# Altium PCB ReconProbe.PcbDoc (part 3 of 4) (continued)
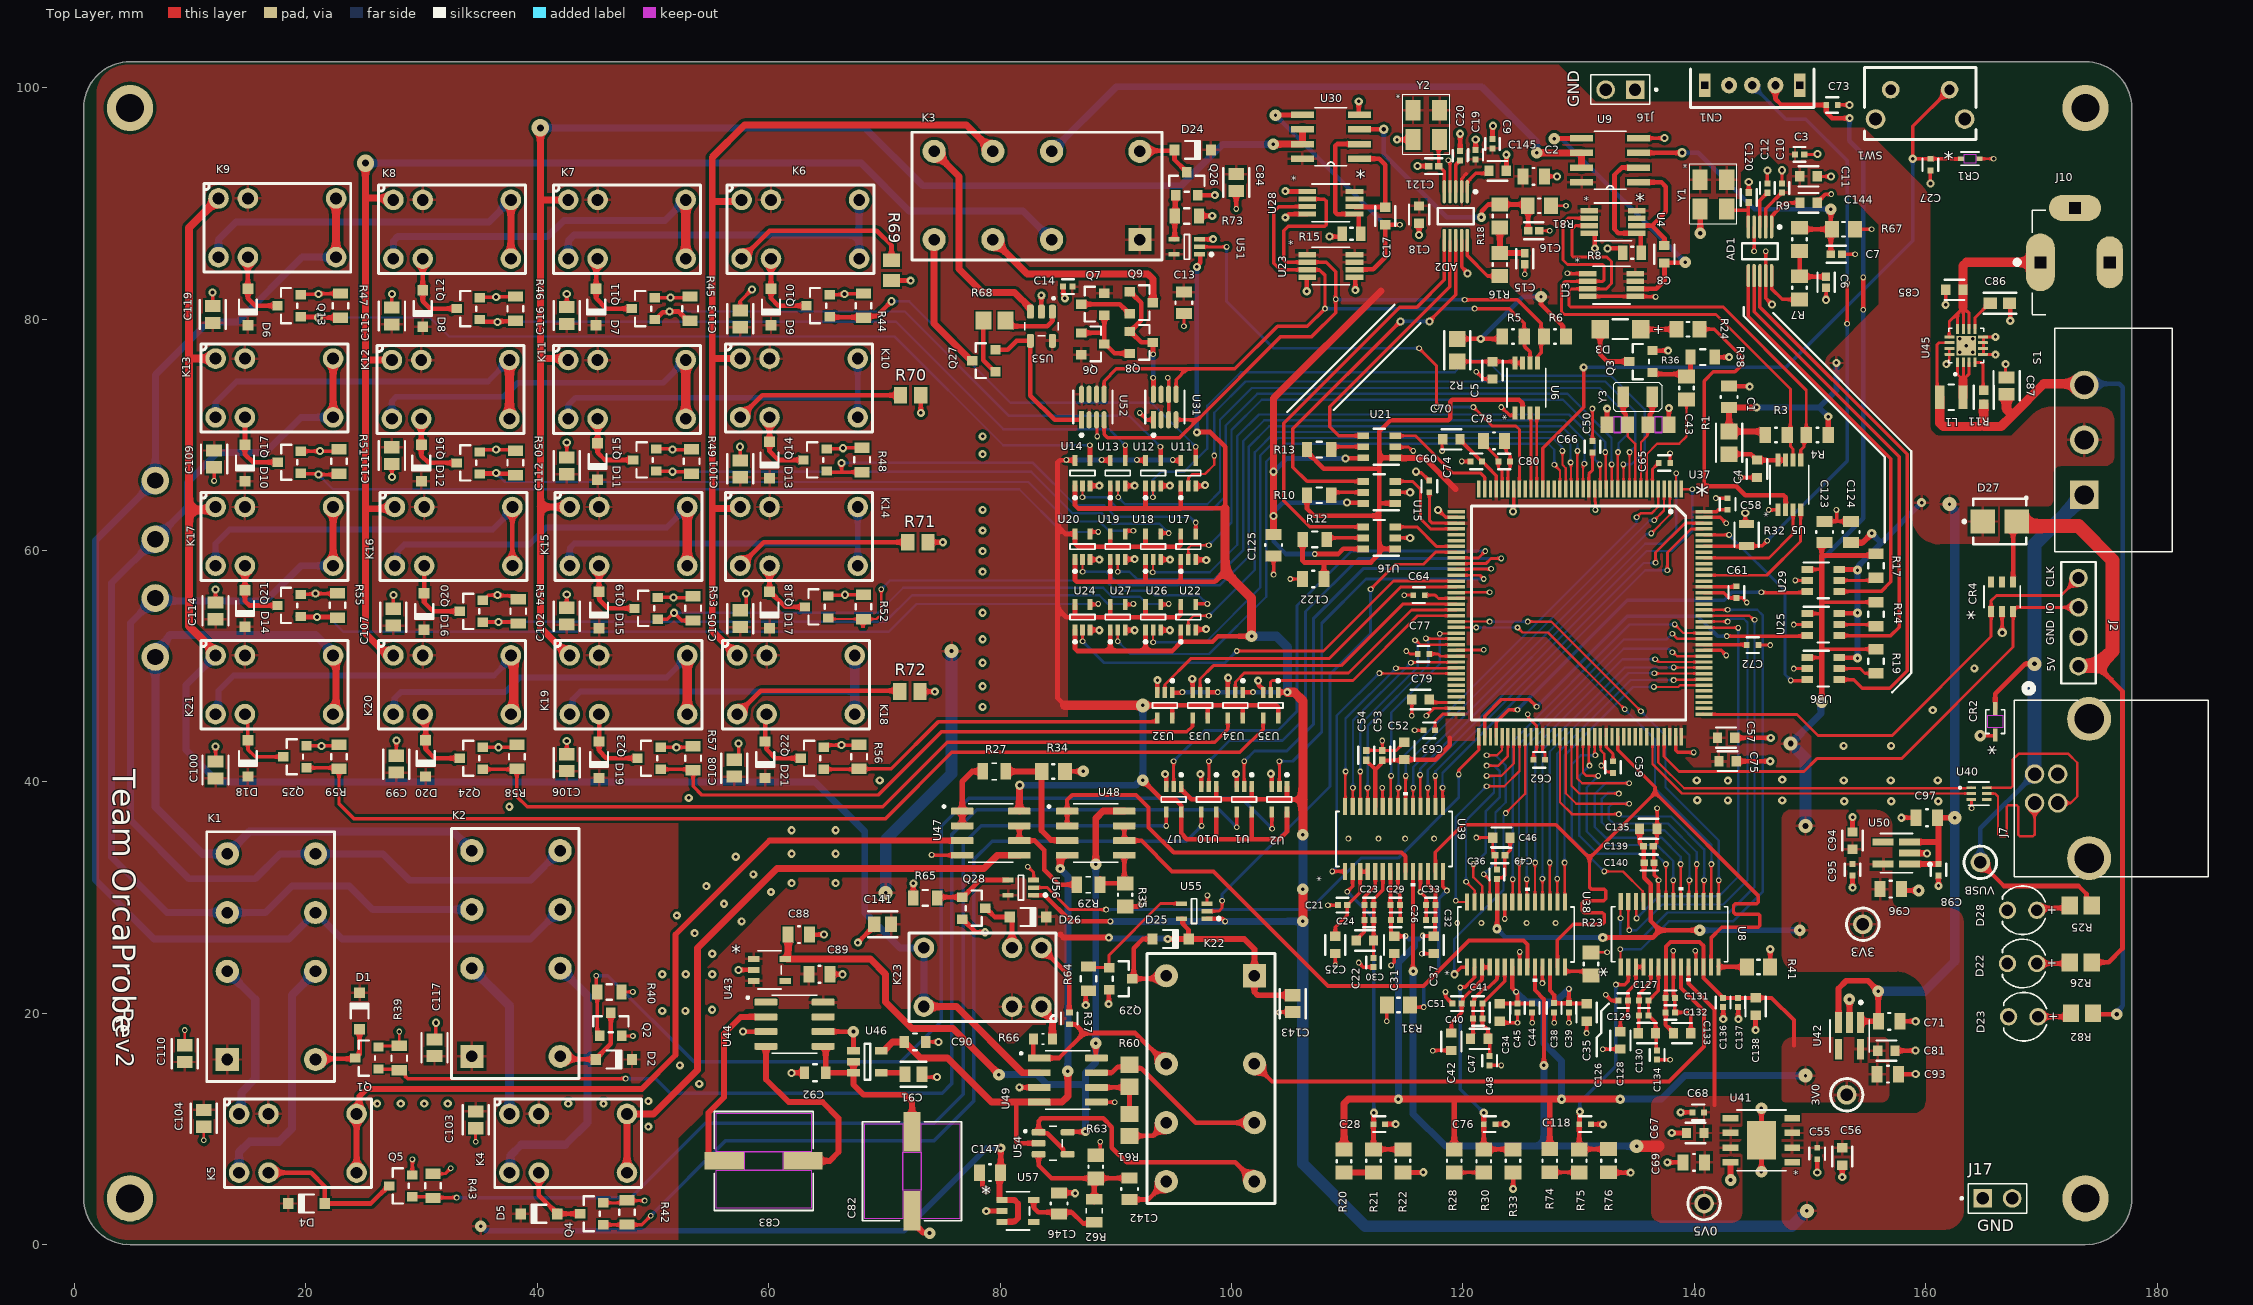
[diagram p0: Top Layer view]
## Nets (pads, with @x,y where several pads share a name; then routed paths per layer and width w, separated by ;. In a path a pad name is that pad's centre, name@x,y a point inside that pad or via, vN(x,y) a via of type N, cw(c..) or ccw(c..) an arc to the next point about the centre after c; other vN are vias at no path point) (continued)
  Top Layer w0.4: v3(57.4,23.749) U43.2@58.706,23.749 ; v3(57.785,18.415) U44.3@59.76,18.415 ; v3@61.99,14.859 C92.2@63.083,14.859 ; C88.1@63.536,26.797 v3(64.77,26.797) ; U44.6@64.7,18.415 v8(67.31,18.415) 67.323,18.402 U46.1@67.323,16.759 ; C89.1@65.314,23.368 v3(66.393,23.368) ; v2(67.7,26.1) 67.7,26.111 69.124,27.535 C141.1@69.124,27.686 ; R69.1@70.612,83.326 v2@72.249,83.326 ; R65.2@72.483,29.972 72.492,29.981 72.492,31.218 v2(72.5,31.226) ; R72.1@73.075,47.8 v2(74.359,47.8) ; v2@73.138,71.896 R70.1@73.138,73.406 ; R71.1@73.759,60.706 v2(75.057,60.706) ; Q28.2@76.724,28.133 76.774,28.133 77.9,27.007 78.693,27.007 v2(78.7,27) ; C147.1@78.2,6.227 78.471,5.956 78.471,5.11 78.8,4.781 v2(78.8,4.7) ; v2@78.811,2.91 U57.2@80.158,2.91 ; v2(81.661,13.589) U49.3@83.382,13.589 ; U53.2@83.566,80.63 v2(83.566,82.042) ; C146.1@85.09,4.481 v2@86.451,4.481 ; C14.2@85.452,82.804 85.452,82.015 85.598,81.869 v2(85.598,81.788) ; R34.1@85.6,40.9 v4(87.2,40.9) ; v2(87.4,20.7) 87.4,21.707 R64.2@87.63,21.937 ; U24.3@87.772,53.129 88.547,53.129 v2(88.576,53.1) ; U20.3@87.772,59.225 87.772,59.213 88.564,59.213 v2(88.576,59.2) ; U14.3@87.772,65.575 87.772,65.588 88.564,65.588 v2(88.576,65.6) ; v2(89.378,20.8) 89.401,20.823 89.401,22.014 Q29.2@89.424,22.037 ; R35.1@90.805,29.226 91.905,29.226 92.27,29.591 v2(92.329,29.591) ; U27.3@90.82,53.129 90.82,53.115 91.61,53.115 v2(91.624,53.1) ; U19.3@90.82,59.225 90.82,59.234 91.485,59.234 91.494,59.243 v2(91.624,59.243) ; U13.3@90.82,65.575 90.82,65.588 91.612,65.588 v2(91.624,65.6) ; U32.3@93.584,47.709 93.584,48.772 v2(93.6,48.788) ; U26.3@93.868,53.129 93.868,53.115 94.658,53.115 v2(94.672,53.1) ; U18.3@93.868,59.225 93.868,59.213 94.67,59.213 v2(94.682,59.2) ; U12.3@93.868,65.575 93.868,65.588 94.66,65.588 v2(94.672,65.6) ; v2(94.256,40.66) 94.256,40.579 94.346,40.489 U7.3@94.346,39.581 ; v2(96.6,48.9) 96.632,48.868 U33.3@96.632,47.709 ; U22.3@96.916,53.129 96.916,53.165 97.765,53.165 v2(97.8,53.2) ; U17.3@96.916,59.225 96.916,59.191 97.78,59.191 v2(97.814,59.157) ; U11.3@96.916,65.575 97.571,65.575 97.639,65.643 v2(97.72,65.643) ; Q26.2@97.095,90.7 97.1,90.705 98.55,90.705 v2(98.562,90.717) ; R73.2@97.189,88.9 97.206,88.917 v2(98.333,88.917) ; U51.3@97.239,86.883 98.383,86.883 v2(98.4,86.9) ; v2(97.304,40.66) 97.304,40.579 97.394,40.489 U10.3@97.394,39.581 ; U34.3@99.68,47.716 99.68,48.98 v2(99.7,49) ; v2(100.4,40.66) 100.442,40.618 U1.3@100.442,39.581 ; v1(100.4,89.514) C84.1@100.4,91.074 ; v2(102.301,48.744) 102.359,48.686 102.359,48.353 102.728,47.984 U35.3@102.728,47.716 ; v2(103.4,40.7) 103.4,40.619 103.49,40.529 U2.3@103.49,39.581 ; v2(104.648,88.773) 104.943,89.068 U28.4@106.541,89.068 ; v2(104.648,91.059) 104.675,91.059 104.716,91.018 U28.1@106.541,91.018 ; v2(106.5,82.4) 106.5,83.578 106.529,83.607 U23.4@106.54,83.607 ; v3(108.458,87.122) R15.2@109.313,87.122 ; U23.5@110.63,83.607 110.671,83.607 110.7,83.578 v2(110.7,82.5) ; U30.4@110.998,97.714 v2(110.998,98.806) ; C28.2@113.268,10.414 v2(114.173,10.414) ; v2(114.3,95.504) Y2.2@115.683,95.504 ; R22.1@114.808,6.239 v2@116.57,6.239 ; v3(116.078,93.218) C121.2@117.046,93.218 ; v3(116.205,87.273) C18.2@116.205,88.277 ; C20.2@119.761,94.507 v2(119.761,96.012) ; C19.2@121.1,94.725 v3@121.1,95.498 ; C9.2@122.555,95.542 v3@122.555,96.655 ; C76.2@122.801,10.414 v2(123.698,10.414) ; C145.2@123.762,92.812 v2(123.762,94.197) ; v2(124.333,4.826) R33.1@124.333,6.239 ; U4.4@130.925,87.417 131.371,87.417 131.4,87.388 v2(131.4,86.1) ; C118.2@131.063,10.407 v2@132.093,10.407 ; C50.2@132.445,70.866 132.452,70.872 132.452,72.259 v2(132.458,72.266) ; v3(132.5,86.1) 133.564,86.1 R8.1@133.57,86.106 ; R76.1@132.62,6.223 v2(134.493,6.223) ; Q3.2@136.382,77.277 136.386,77.273 137.723,77.273 v2(137.727,77.269) ; v2(137.668,7.112) C69.1@139.029,7.112 ; v2(137.8,72.3) 137.801,72.299 137.801,70.867 C43.2@137.803,70.866 ; v2(138.049,9.652) C67.1@139.331,9.652 ; v2(138.811,11.43) C68.2@139.835,11.43 ; R38.1@141.766,76.708 141.774,76.7 v2(143,76.7) ; v2@142.497,19.503 C136.2@142.497,20.533 ; C1.2@143.002,74.204 143.024,74.182 144.756,74.182 v2(144.778,74.16) ; C57.2@143.513,43.8 v2(146.6,43.8) ; C75.2@143.625,41.783 v2(146.558,41.783) ; v2@143.782,19.518 C137.2@143.782,20.518 ; v2(145.288,18.542) C138.2@145.288,19.836 ; v4(145.8,6.3) 145.8,9.013 U41.EPAD@145.796,9.017 145.8,9.021 v4(145.8,11.8) ; R41.1@146.558,24.019 v2(146.558,25.527) ; v3(150.622,6.223) C55.2@150.622,7.374 ; v2(152.781,5.842) C56.1@152.781,6.87 ; v2(153.67,30.861) C95.2@153.67,31.893 ; C94.1@153.67,35.675 v2(153.67,36.957) ; C81.1@157.441,16.769 v3@159.098,16.769 ; C93.1@157.643,14.732 v3(159.131,14.732) ; C71.1@157.77,19.304 v3(159.131,19.304) ; C96.1@157.897,30.734 158.024,30.607 v9(159.385,30.607) ; v2(157.9,36.9) C97.1@159.175,36.9 ; v2(161.1,31) C98.2@161.1,31.9 ; v2(167.297,79.846) C86.2@167.297,81.308
  Top Layer w0.5: C82.1@72.39,2.946 72.39,1.994 73.346,1.038 73.862,1.038 v8(73.9,1) ; v9(140.5,87.4) Y1.2@140.5,89.5 ; v8(143.129,5.588) U41.8@143.129,7.106 ; v8(153.4,21.2) 153.408,21.192 153.408,19.192 U42.2@153.416,19.184 ; U50.2@158.873,33.822 158.883,33.832 160.104,33.832 v3(160.115,33.822)
  other v1: 119.5,27.8 121.6,27.8 125.5,27.8 128,27.8 110.1,35.1 112.7,35.1 115,35.1 117.5,35.1
  other v2: 49.6,10.2 26.162,12.192 28.194,12.192 30.226,12.192 32.258,12.192 42.672,12.192 45.72,12.192 49.6,12.4 54,13.9 52.324,15.494 50.8,20.2 52.8,20.2 55.1,20.3 50.8,23.368 52.832,23.368 55.118,23.368 55.118,25.146 53.594,26.924 57.658,27.94 52.07,28.448 56.134,29.464 60.198,30.48 54.61,30.988 61.976,31.242 65.786,31.242 58.674,32.004 57.15,33.528 61.976,33.782 65.786,33.782 61.976,35.814 65.786,35.814 37.592,37.846 152.953,38.325 157.017,38.325 161.081,38.325 140.251,38.405 142.9,38.4 147.6,38.4 53.086,38.608 142.9,40.1 69.596,40.132 140.208,40.132 152.908,40.132 156.972,40.132 161.036,40.132 147.6,40.2 152.9,43.1 157,43.1 160.6,46.2 78.486,46.482 78.486,48.26 164.2,49.8 78.486,50.292 78.486,52.324 78.486,54.61 78.486,58.166 78.486,59.944 78.486,61.722 78.486,63.5 78.486,68.326 78.486,69.85
  other v3: 159.1,16.771
IINV_IN: K22.3 R61.1 | length 3.6
  Top Layer w0.4: R61.1@91.186,9.403 93.223,9.403 K22.3@94.361,10.541
IINV_OUT: K22.6 R60.1 U49.7 | length 16
  Top Layer w0.4: U49.7@88.322,14.859 89.662,14.859 90.172,15.369 91,15.369 R60.1@91.186,15.555 91.501,15.24 92.202,15.24 96.901,10.541 K22.6@101.981,10.541
IOFFSET: C142.2 K22.4 | length 3.8
  Top Layer w0.4: C142.2@91.186,3.901 92.801,3.901 K22.4@94.361,5.461
IOUT: K3.7 K8.6 K12.6 K16.6 K20.6 | length 113.6
  Top Layer w0.6: v11(25.146,93.472) 25.146,90.551 ; K12.6@27.432,76.454 25.146,76.454 ; K8.6@27.559,90.297 27.41,90.446 25.251,90.446 25.146,90.551 ; K16.6@27.686,63.5 27.583,63.603 25.297,63.603 25.146,63.754 ; K20.6@27.813,50.927 27.641,51.099 26.879,51.099 25.146,52.832 25.146,63.754 ; 25.146,63.754 25.146,76.454 ; 25.146,76.454 25.146,90.551
  Bottom Layer w0.6: v11(25.146,93.472) 67.996,93.472 72.136,89.332 81.991,89.332 K3.7@84.455,86.868
MCI2C1_SCL: U5.3 U37.136 | length 10.6
  Top Layer w0.25: U37.136@140.832,59.356 146.456,59.356 148.534,61.434 U5.3@148.534,63.513
MCI2C1_SDA: U5.4 U37.133 | length 12.3
  Top Layer w0.25: U37.133@140.832,57.856 146.256,57.856 149.184,60.784 U5.4@149.184,63.513
MCI2C3_SCL: U6.4 U37.26 | length 6.6
  Top Layer w0.25: U37.26@126.382,65.306 126.382,71.826 U6.4@126.451,71.895
MCI2C3_SDA: U6.3 U37.27 | length 6.6
  Top Layer w0.25: U6.3@125.801,71.895 125.882,71.814 U37.27@125.882,65.306
MCU_D_N: U37.103 U40.2 | length 31
  Top Layer w0.2: U37.103@136.382,43.906 136.382,41.538 138.931,38.989 U40.2@163.919,38.989
MCU_D_P: U37.104 U40.1 | length 30.2
  Top Layer w0.2: U37.104@136.882,43.906 136.882,41.68 139.119,39.443 163.481,39.443 163.5,39.462 163.892,39.462 U40.1@163.919,39.489
N2V5: C90.1 U46.5 U48.4 U49.4 U54.2 | length 45.9
  Top Layer w0.3: 81.407,12.158 81.568,12.319
  Top Layer w0.4: 81.407,12.158 81.407,8.924 81.568,8.763 U54.2@83.327,8.763
  Top Layer w0.6: U46.5@69.723,16.759 69.948,16.759 70.715,17.526 C90.1@71.719,17.526 ; C90.1@71.719,17.401 71.819,17.301 71.944,17.301 73.116,16.129 75.438,16.129 79.248,12.319 81.568,12.319 U49.4@83.382,12.319 85.344,12.319 85.852,12.827 v4(85.852,14.986) ; v5(85.2,32.5) 85.2,33.655 U48.4@85.795,33.655
  Bottom Layer w0.6: v5(85.2,32.5) 85.2,32.461 85.852,31.809 v4(85.852,14.986)
NetAD1_1: AD1.1 C144.1 | length 3.9
  Top Layer w0.3: AD1.1@146.669,87.952 146.669,88.884 147.828,90.043 C144.1@149.122,90.043
NetAD1_3: AD1.3 C12.1 | length 3.2
  Top Layer w0.3: AD1.3@145.669,87.952 145.669,90.278 C12.1@146.304,90.913
NetAD1_10: AD1.10 R7.2 | length 4.3
  Top Layer w0.3: AD1.10@146.669,84.514 146.669,82.631 147.607,81.693 R7.2@148.717,81.693
NetAD2_1: AD2.1 C145.1 | length 3
  Top Layer w0.3: AD2.1@120.38,91 120.38,91.85 121.113,92.583 C145.1@122.059,92.583 ; C145.1@122.059,92.683 C145.1@122.186,92.556
NetAD2_3: AD2.3 C20.1 | length 2.9
  Top Layer w0.3: AD2.3@119.38,91 119.38,93.326 119.651,93.597 C20.1@119.761,93.707
NetAD2_10: AD2.10 R16.2 | length 4.9
  Top Layer w0.3: AD2.10@120.38,86.8 120.38,85.487 122.158,83.709 R16.2@123.19,83.709
NetC4_2: C4.2 R1.2 U5.7 U5.8 | length 5.1
  Top Layer w0.4: R1.2@143.002,68.326 144.895,68.326 145.115,68.106 145.115,68.056 145.365,67.806 U5.8@147.234,67.805 ; U5.8@147.234,67.805 U5.7@147.884,67.805
NetC5_2: C5.2 R2.2 U6.7 U6.8 | length 5.7
  Top Layer w0.3: R2.2@119.507,76.327 119.519,76.315 C5.2@122.555,76.315 124.422,76.315 124.501,76.236 U6.8@124.501,76.187 U6.7@125.151,76.187
NetC6_1: C6.1 R7.1 R9.2 | length 4.5
  Top Layer w0.4: R9.2@149.098,85.884 R7.1@149.098,83.693 149.127,83.664 C6.1@151.384,83.664
NetC15_1: C15.1 R16.1 R18.2 | length 4.4
  Top Layer w0.5: R18.2@123.19,87.9 R16.1@123.19,85.709 123.197,85.702 125.342,85.702 C15.1@125.349,85.696
NetC27_1: C27.1 CR1.1 SW1.1 U37.25 | length 63.4
  Top Layer w0.3: U37.25@126.882,65.306 126.882,68.843 130.429,72.39 v2(130.429,75.819) ; C27.1@160.301,93.818 160.175,93.818 160.14,93.853 v2(158.877,93.853) 158.877,96.647 SW1.1@162.052,99.822 ; C27.1@160.401,93.845 160.405,93.849 163.026,93.849 CR1.1@163.03,93.853
  Bottom Layer w0.3: v2(130.429,75.819) 147.919,75.819 158.877,86.777 v2(158.877,93.853)
NetC43_1: C43.1 U37.8 Y3.2 | length 8.9
  Top Layer w0.2: U37.8@135.382,65.306 135.382,69.358 135.948,69.924 135.948,70.805 C43.1@136.07,70.927 ; Y3.2@136.042,72.963 Y3.2@136.358,73.279
  Top Layer w0.4: C43.1@136.009,70.866 136.165,71.022 136.165,71.778 136.358,71.971 Y3.2@136.358,73.279
NetC50_1: C50.1 U37.9 Y3.1 | length 8.4
  Top Layer w0.2: C50.1@134.239,70.866 134.239,69.85 134.882,69.207 U37.9@134.882,65.306
  Top Layer w0.4: Y3.1@133.858,73.279 133.858,72.003 134.083,71.778 134.083,71.022 C50.1@134.239,70.866
NetC79_1: C79.1 U37.70 | length 2.4
  Top Layer w0.3: C79.1@117.082,46.863 117.089,46.856 U37.70@119.432,46.856
NetC82_2: C82.2 C92.1 U44.5 U46.2 U46.3 | length 15.1
  Top Layer w0.5: U44.5@64.7,17.145 64.883,17.145 64.933,17.095 C92.1@64.933,14.859 U46.3@67.323,14.859 ; U46.2@67.323,15.809 U46.3@67.323,14.859 ; C82.2@72.39,9.754 72.39,12.319 71.755,12.954 68.199,12.954 67.323,13.83 U46.3@67.323,14.859
NetC83_1: C83.1 U44.2 | length 16.8
  Top Layer w0.5: C83.1@56.159,7.239 55.299,7.239 54.8,7.738 54.8,11.4 56.134,12.734 56.134,18.234 57.585,19.685 U44.2@59.76,19.685
NetC83_2: C83.2 U44.4 | length 16.8
  Top Layer w0.5: U44.4@59.76,17.145 59.76,14.281 61.722,12.319 64.643,12.319 66.04,10.922 66.04,8.001 65.278,7.239 C83.2@62.967,7.239
NetC86_1: C86.1 U45.9 | length 2.8
  Top Layer w0.25: U45.9@164.25,79.175 164.25,80.112 165.508,81.37 C86.1@165.582,81.37
NetC91_1: C91.1 U46.4 | length 2.1
  Top Layer w0.5: U46.4@69.723,14.859 71.64,14.859 C91.1@71.767,14.986
NetC142_1: C142.1 R62.1 R63.2 U54.3 | length 11.3
  Top Layer w0.4: U54.3@83.327,7.813 83.327,6.843 84.439,5.731 R63.2@88.265,5.731 ; R62.1@88.138,3.683 88.138,5.477 88.265,5.604 88.412,5.751 C142.1@91.186,5.751
NetC146_2: C146.2 R62.2 U57.5 | length 6.4
  Top Layer w0.4: U57.5@82.899,3.871 82.899,3.207 83.306,2.8 84.921,2.8 C146.2@85.09,2.631 85.259,2.8 86.2,2.8 87.168,1.832 87.862,1.832 R62.2@87.884,1.81
NetCN1_2: CN1.2 R32.1 U37.138 | length 52.3
  Top Layer w0.3: U37.138@140.832,60.356 144.491,60.356 R32.1@144.526,60.391 145.862,60.391 v1(146.304,60.833) ; v1(153.2,79.6) v1(153.2,83.1)
  Bottom Layer w0.3: CN1.2@145.002,100.203 147.923,97.282 149.618,97.282 153.2,93.7 v1(153.2,83.1) ; v1(146.304,60.833) 153.2,67.729 v1(153.2,79.6)
NetD3_1: D3.1 Q3.3 | length 5
  Top Layer w0.4: D3.1@131.854,79.121 131.854,76.934 132.461,76.327 Q3.3@134.382,76.327
NetD3_2: D3.2 R24.1 | length 3.1
  Top Layer w0.4: D3.2@135.354,79.121 R24.1@138.446,79.121
NetD22_1: D22.1 R26.1 | length 2.7
  Top Layer w0.4: D22.1@169.6,24.3 172.15,24.3 R26.1@172.25,24.4
NetD23_1: D23.1 R82.1 | length 3
  Top Layer w0.4: D23.1@169.46,19.7 D23.1@169.7,19.7 172.05,19.7 R82.1@172.35,20
NetD25_1: D25.1 K22.1 Q29.3 | length 7.5
  Top Layer w0.4: D25.1@93.167,26.416 92.329,26.416 91.542,25.629 91.542,22.987 94.107,22.987 K22.1@94.361,23.241
NetD26_1: D26.1 K23.2 Q28.3 | length 5.2
  Top Layer w0.4: Q28.3@78.724,29.083 78.774,29.083 79.536,28.321 D26.1@80.848,28.321 81.026,28.143 K23.2@81.026,25.654
NetD28_1: D28.1 R25.1 | length 2.7
  Top Layer w0.4: D28.1@169.6,28.9 169.8,29.1 171.95,29.1 R25.1@172.15,29.3
NetK6_1: K6.1 R69.2 | length 15.8
  Top Layer w0.4: K6.1@57.658,85.217 60.071,87.63 69.342,87.63 70.612,86.36 R69.2@70.612,85.076
NetK6_3: K6.3 K6.4 K7.1 | length 35
  Bottom Layer w0.6: K7.1@42.672,85.217 42.672,86.741 43.18,87.249 67.818,87.249 ; K6.3@67.818,85.217 67.818,87.249 ; 67.818,87.249 K6.4@67.818,90.297 67.818,87.249
NetK7_3: K7.3 K7.4 K8.1 | length 33.3
  Top Layer w0.8: K7.3@52.832,85.217 K7.4@52.832,90.297
  Bottom Layer w0.6: K8.1@27.559,85.217 27.559,86.741 27.94,87.122 40.894,87.122 42.291,88.519 51.054,88.519 K7.4@52.832,90.297
NetK8_3: K8.3 K8.4 K9.1 | length 33.3
  Top Layer w0.6: K8.3@37.719,85.217 K8.4@37.719,90.297
  Bottom Layer w0.6: K9.1@12.446,85.344 12.446,86.868 13.97,88.392 35.814,88.392 K8.4@37.719,90.297
NetK10_1: K10.1 R70.2 | length 14.6
  Top Layer w0.4: K10.1@57.531,71.501 59.436,73.406 R70.2@71.388,73.406
NetK10_3: K10.3 K10.4 K11.1 | length 31.6
  Bottom Layer w0.5: K11.1@42.672,71.374 42.672,72.572 43.3,73.2 67.691,73.2 ; K10.3@67.691,71.501 67.691,73.2 ; K10.4@67.691,76.581 67.691,73.5 67.691,73.2
NetK11_3: K11.3 K11.4 K12.1 | length 33.5
  Top Layer w0.8: K11.3@52.832,71.374 K11.4@52.832,76.454
  Bottom Layer w0.5: K12.1@27.432,71.374 27.432,72.898 27.813,73.279 37.084,73.279 38.305,74.5 50.878,74.5 K11.4@52.832,76.454
NetK12_3: K12.3 K12.4 K13.1 | length 33.3
  Top Layer w0.8: K12.3@37.592,71.374 K12.4@37.592,76.454
  Bottom Layer w0.5: K13.1@12.192,71.501 12.192,72.771 14.021,74.6 35.738,74.6 K12.4@37.592,76.454
NetK14_1: K14.1 R71.2 | length 15.3
  Top Layer w0.4: K14.1@57.531,58.674 59.563,60.706 R71.2@72.009,60.706
NetK14_3: K14.3 K14.4 K15.1 | length 32
  Bottom Layer w0.5: K15.1@42.799,58.674 42.799,60.198 43.201,60.6 67.691,60.6 ; K14.3@67.318,58.674 K14.3@67.691,58.674 67.691,60.833 K14.4@67.691,63.754
NetK15_3: K15.3 K15.4 K16.1 | length 33
  Top Layer w0.8: K15.3@52.959,58.674 K15.4@52.959,63.754
  Bottom Layer w0.5: K16.1@27.905,58.639 27.905,59.909 28.496,60.5 39.291,60.5 40.767,61.976 51.181,61.976 K15.4@52.959,63.754
NetK16_3: K16.3 K16.4 K17.1 | length 33.8
  Top Layer w0.4: K16.3@37.846,58.674 K16.4@37.846,63.754
  Bottom Layer w0.5: K17.1@12.192,58.674 12.198,58.68 12.198,60.585 13.413,61.8 36.146,61.8 K16.4@37.846,63.5
NetK18_1: K18.1 R72.2 | length 15.3
  Top Layer w0.4: K18.1@57.277,45.847 59.309,47.879 R72.2@71.027,47.879 ; R72.2@71.027,47.8 R72.2@71.184,47.8 ; R72.2@71.027,47.86 R72.2@71.452,48.285
NetK18_3: K18.3 K18.4 K19.1 | length 34.4
  Bottom Layer w0.5: K19.1@42.799,45.72 43.044,45.965 43.044,47.108 43.736,47.8 67.437,47.8 K18.4@67.437,50.927
  Bottom Layer w0.8: K18.3@67.437,45.847 67.437,47.8 K18.4@67.437,50.927
NetK19_3: K19.3 K19.4 K20.1 | length 33.3
  Top Layer w0.8: K19.3@52.959,45.72 K19.3@52.959,45.847 K19.4@52.959,50.8
  Bottom Layer w0.5: K20.1@27.559,45.847 27.658,45.946 27.658,47.216 28.194,47.752 37.211,47.752 38.481,49.022 51.181,49.022 K19.4@52.959,50.8
NetK20_3: K20.3 K20.4 K21.1 | length 33.9
  Top Layer w0.8: K20.3@37.973,45.847 K20.4@37.973,50.927
  Bottom Layer w0.5: K21.1@12.446,45.847 12.446,47.879 13.767,49.2 36.246,49.2 K20.4@37.973,50.927
NetK23_1: K23.1 R37.1 | length 6.6
  Top Layer w0.4: K23.1@83.566,25.654 85.979,23.241 R37.1@85.979,20.058
NetK23_6: K23.6 R66.1 | length 3.2
  Top Layer w0.6: K23.6@83.566,20.574 83.566,20.317 84.513,19.37 R66.1@84.513,17.78
NetL1_2: L1.2 U45.1 U45.2 U45.3 | length 6.3
  Top Layer w0.25: U45.1@162.75,76.225 162.75,75.201 163.217,74.734 163.25,74.766 ; U45.2@163.25,76.225 163.25,74.766 ; U45.3@163.75,76.225 163.75,75.266 163.25,74.766
  Top Layer w0.8: L1.2@163.217,73.242 163.217,74.734
NetQ3_1: Q3.1 R36.1 R38.2 | length 4.9
  Top Layer w0.4: Q3.1@136.382,75.377 136.521,75.238 139.122,75.238 R36.1@139.319,75.041 139.666,75.388 R38.2@139.666,76.708
NetQ6_1: Q6.1 Q6.3 Q7.1 Q8.2 | length 7
  Top Layer w0.4: Q6.1@87.011,78.801 88.945,78.801 89.011,78.867 ; Q7.1@89.011,80.33 89.011,78.867 ; Q8.2@91.202,77.028 89.884,77.028 89.061,77.851 Q6.3@89.011,77.851 89.011,78.867
NetQ7_3: Q7.3 Q9.2 | length 4.5
  Top Layer w0.4: Q7.3@87.011,81.28 90.329,81.28 91.152,80.457 Q9.2@91.202,80.457
NetQ8_1: Q8.1 Q8.3 Q9.1 U31.8 | length 11.2
  Top Layer w0.4: Q8.1@91.202,78.928 Q8.1@91.252,78.928 ; Q9.1@91.202,82.357 91.252,82.357 92.202,81.407 92.202,79.878 Q8.1@91.252,78.928 ; v1(93.218,74.93) 93.218,74.903 93.259,74.862 U31.8@93.259,73.49 ; v1(93.218,76.962) 93.21,76.97 93.21,77.97 Q8.3@93.202,77.978 92.202,77.978 Q8.1@91.252,78.928
  Bottom Layer w0.4: v1(93.218,74.93) v1(93.218,76.962)